# Altium PCB CL-AHU-V1.1.pcbdoc (part 2 of 5)
Units mil, origin at the board's own origin, x right, y up, seen from the top; angles counter-clockwise.
Board outline 12846.15 x 9153.85 mil, 2 copper layers (TopLayer, BottomLayer); 143 components, 181 nets, 607 pads, 3157 vias.
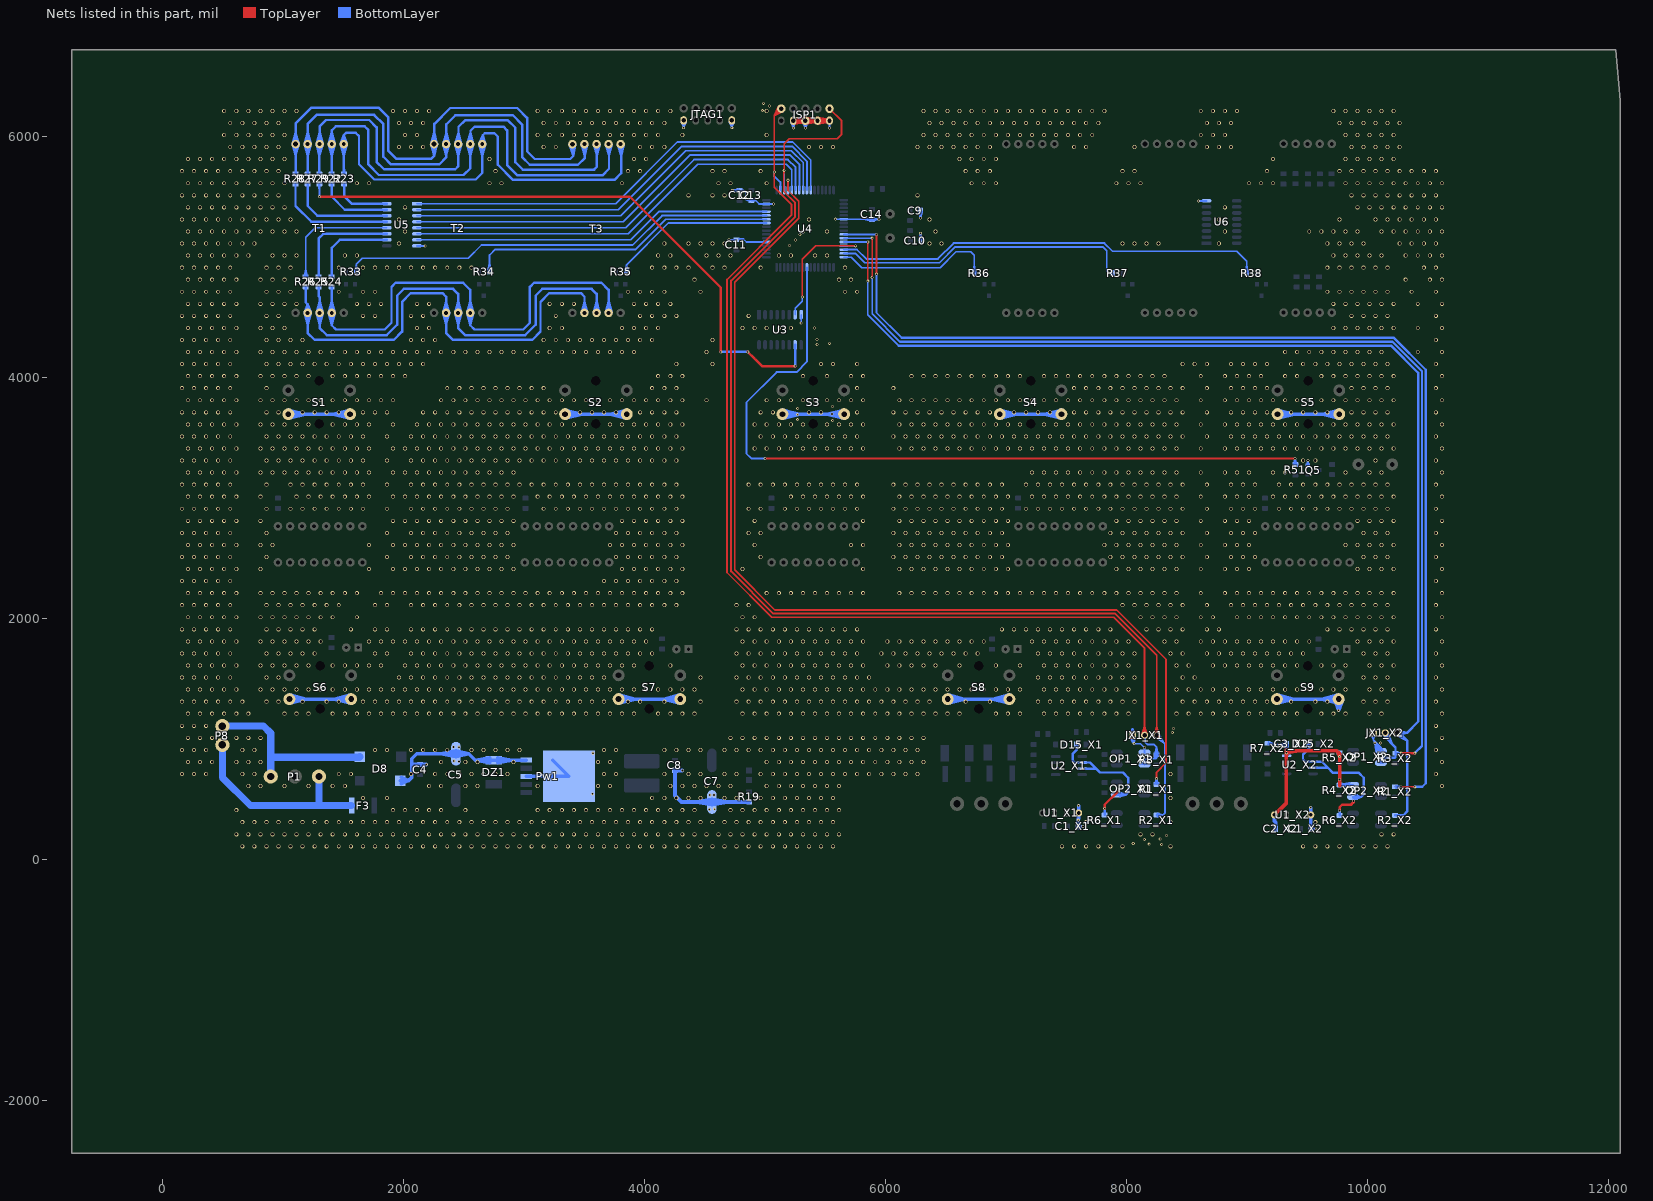
[diagram p2: the nets of this part, all layers, seen from the top]

## Via types
v1: diameter 33/33 (per signal layer), hole 23, TopLayer to BottomLayer, tented both sides, 2996 vias
v2: diameter 25, hole 15, TopLayer to BottomLayer, tented both sides, 138 vias
v3: diameter 24, hole 15, TopLayer to BottomLayer, tented both sides, 16 vias
v4: diameter 35, hole 20, TopLayer to BottomLayer, tented both sides, 3 vias
v5: diameter 30, hole 20, TopLayer to BottomLayer, tented both sides, 2 vias
v6: diameter 35, hole 25, TopLayer to BottomLayer, tented both sides, 2 vias

## Nets (pads, with @x,y where several pads share a name; then routed paths per layer and width w, separated by ;. In a path a pad name is that pad's centre, name@x,y a point inside that pad or via, vN(x,y) a via of type N, cw(c..) or ccw(c..) an arc to the next point about the centre after c; other vN are vias at no path point) (continued)
485-VCC_X2: C2_X2.2 C3_X2.2 OP2_X2.4 R4_X2.1 R5_X2.2 R7_X2.2 U1_X2.4 U2_X2.8 | length 5682.9
  TopLayer w20: v2(9766.91,854.09) 9766.91,879.87
  TopLayer w30: U1_X2.4@9226.52,371.7 9325.04,470.21 v2(9325.05,886.14) ; 9325.04,783.64 v2(9325.05,886.14) ; 9436.62,904.27 v2(9325.05,886.14) ; 9768.31,751.52 v2(9766.91,854.09) ; 9768.31,767.46 v2(9766.55,664.85) 9768.31,612.94 v2@9768.31,854.09 ; v2(9325.05,886.14) 9343.16,904.27 ; v2(9325.05,886.14) 9325.04,807.67 v2(9325.74,910.19) ; v2(9325.05,886.14) v2(9325.74,910.19) ; v2(9325.05,886.14) v2(9325.74,910.19) ; v2(9325.05,886.14) 9343.16,904.27 ; v2(9325.05,886.14) v2(9325.74,910.19) ; v2(9325.05,886.14) 9429.49,904.27 v2(9325.74,910.19) ; v2(9325.05,886.14) v2(9325.74,910.19) ; v2(9325.05,886.14) v2(9325.74,910.19) ; v2(9325.74,910.19) 9343.16,904.27 ; 9343.16,904.27 9742.52,904.27 ; 9742.52,904.27 v2(9766.91,854.09) ; 9742.52,904.27 9766.91,879.87 v2(9766.91,854.09)
  BottomLayer w15: R7_X2.2@9171,957.94 C3_X2.2@9323.65,957.94 ; R7_X2.2@9174.81,952.42 9240.65,957.94 ; R7_X2.2@9174.95,964.92 9240.65,957.94 ; R7_X2.2@9177.44,977.17 9240.65,957.94 ; C3_X2.2@9315.38,943.1 v2(9325.05,886.14) ; C3_X2.2@9324.14,972.42 9260.64,957.94 ; C3_X2.2@9324.93,947.55 9260.64,957.94 ; C3_X2.2@9325.74,955.02 v2@9325.74,890.02 ; C3_X2.2@9336.03,942.82 v2(9325.05,886.14) ; R4_X2.1@9771.55,619.22 OP2_X2.4@9836.55,619.22 ; R4_X2.1@9772.76,606.78 OP2_X2.4@9836.55,619.22 ; R4_X2.1@9772.76,631.66 OP2_X2.4@9836.55,619.22 ; R4_X2.1@9778.94,620.93 v2(9766.55,664.85) ; OP2_X2.4@9848.56,636.73 R4_X2.1@9782.71,608.72 ; OP2_X2.4@9848.89,603 R4_X2.1@9782.3,629.8 ; OP2_X2.4@9853.67,637.4 R4_X2.1@9782.3,629.8 ; OP2_X2.4@9853.99,602.42 R4_X2.1@9782.71,608.72 ; OP2_X2.4@9877.71,619.22 R4_X2.1@9766.55,619.22 ; 9260.64,957.94 C3_X2.2@9325.74,960.02 U2_X2.8@9325.74,862.96 ; v2(9325.05,886.14) v2(9325.74,910.19) ; v2(9325.05,886.14) U2_X2.8@9326.52,862.18 ; v2(9325.05,886.14) U2_X2.8@9325.74,862.96 ; v2(9325.05,886.14) v2(9325.74,910.19) ; v2(9325.05,886.14) 9325.74,919.2 U2_X2.8@9326.52,862.18 ; v2(9325.05,886.14) U2_X2.8@9326.52,862.18 ; v2(9325.05,886.14) U2_X2.8@9325.74,862.96 ; v2(9325.05,886.14) 9325.74,943.65 v2(9325.05,886.14) ; v2(9325.05,886.14) v2(9325.74,910.19) ; v2(9325.05,886.14) v2(9325.74,910.19) ; v2(9325.05,886.14) v2(9325.74,910.19) ; U2_X2.8@9325.74,862.96 v2(9325.74,910.19) ; v2@9325.74,890.02 v2(9325.74,910.19) ; v2@9325.74,890.02 v2(9325.74,910.19) ; v2@9325.74,890.02 v2(9325.74,910.19) ; v2@9325.74,890.02 9313.29,953.82 v2(9325.74,910.19) ; v2@9325.74,890.02 9338.18,953.82 v2(9325.74,910.19) ; v2(9325.74,910.19) U2_X2.8@9326.52,862.18 ; R4_X2.1@9766.55,619.22 v2(9766.55,664.85) ; R4_X2.1@9766.55,619.22 v2(9766.55,664.85) ; v2(9766.55,664.85) 9754.17,620.93 v2(9766.55,664.85) ; R4_X2.1@9782.3,629.8 OP2_X2.4@9853.39,619.91 ; R4_X2.1@9782.71,608.72 OP2_X2.4@9853.39,619.91 ; R4_X2.1@9783.38,619.22 OP2_X2.4@9853.39,619.91 ; R4_X2.1@9783.38,619.22 9851.04,637.25 R4_X2.1@9783.39,619.22 ; R4_X2.1@9783.38,619.22 9851.38,602.52 R4_X2.1@9783.39,619.22 ; R4_X2.1@9783.39,619.22 OP2_X2.4@9853.39,619.91
  BottomLayer w20: v2(9766.91,854.09) R5_X2.2@9766.91,886.12 v2(9766.91,854.09)
  BottomLayer w30: C2_X2.2@9236.55,254.7 9236.55,309.75 ; C2_X2.2@9236.55,259.7 9236.55,309.75 ; 9226.52,319.78 U1_X2.4@9226.52,371.7 9226.52,319.78 ; 9226.52,319.78 9236.55,309.75
AC12+: F3.1 P1.1 P8.1 | length 1672.2
  BottomLayer w60: P8.1@499.17,951.91 499.17,682.33 732.35,449.15 F3.1@1571.27,449.15 ; 1300.13,455.64 P1.1@1300.13,689.55
AC12-: D8.2 P1.3 P8.2 | length 1746.9
  BottomLayer w60: P8.2@499.17,1107.81 840.51,1107.81 900.13,1048.2 900.13,849.39 ; P1.3@900.13,689.54 900.13,849.39 ; 1414.34,849.39 D8.2@1637.78,852.95 1634.22,849.39 900.13,849.39
ATMEGA128-EN0: R1_X1.2 U4.4 | length 8814.1
  TopLayer w15: 5190.71,5578.06 v2(5190.71,5635.56) 5190.71,5550.54 5279.55,5461.7 5279.55,5320.85 4749.05,4790.35 4749.05,2403.05 5081.41,2070.7 7916.55,2070.7 8326.55,1660.7 8326.55,803.7 8248.32,725.47 v2(8248.32,671.45)
  BottomLayer w15: U4.4@5190.7,5554.46 v2@5190.7,5635.55 ; v2(8248.32,671.45) 8260.7,626.48 v2(8248.32,671.45) ; v2(8248.32,671.45) 8235.93,626.48 v2(8248.32,671.45) ; v2(8248.32,671.45) R1_X1.2@8248.31,624.81 v2(8248.32,671.45)
ATMEGA128-EN1: R1_X2.2 U4.26 | length 9687.3
  TopLayer w15: v2(5924.68,4856.31) v2(5924.68,5186.35) v2(5924.68,5186.35) ; v2(10276.71,604.55) v2(10390.02,604.55)
  BottomLayer w15: U4.26@5653.3,5186.35 v2(5924.68,5186.35) ; v2(5924.68,4856.31) 5924.68,4538.85 6135.04,4328.49 ; v2(10276.71,604.55) 10233.65,592.17 v2@10276.71,604.54 ; v2(10276.71,604.55) 10231.91,604.54 v2@10276.71,604.54 ; v2(10276.71,604.55) 10233.65,616.92 v2@10276.71,604.54 ; v2(10276.71,604.55) R1_X2.2@10226.91,604.54 v2@10276.71,604.54
  BottomLayer w20: 6135.04,4327.49 10217.65,4327.49 10481.26,4063.88 10481.26,633.4 10452.41,604.55 v2(10390.02,604.55)
ATMEGA128-RX0: ISP1.1 JX1_X1.2 OP1_X1.4 R3_X1.2 U4.2 | length 10135.1
  TopLayer w15: ISP1.1@5112.4,6245.54 5077.29,6171.52 ; ISP1.1@5125.39,6237.84 5077.29,6171.52 ; ISP1.1@5143.62,6219.61 5077.29,6171.52 ; ISP1.1@5151.32,6206.62 5077.29,6171.52 ; JX1_X1.2@8127.16,1035.69 8148.95,1106.96 JX1_X1.2@8170.73,1035.69 ; JX1_X1.2@8148.95,1032.43 8148.95,1753.45 7891.7,2010.7 5056.55,2010.7 4685.05,2382.2 4685.05,4811.2 5219.55,5345.7 5219.55,5435.7 5077.29,5577.96 v2(5077.29,5703.71) 5077.29,6171.52 ; 5077.29,6171.52 ISP1.1@5135.23,6229.45 5077.29,6171.52
  BottomLayer w15: v2(5077.29,5703.71) 5077.29,5670.21 5127.71,5619.79 U4.2@5127.71,5554.46 ; OP1_X1.4@8130.95,792.85 8147.93,824.68 ; OP1_X1.4@8147.93,788.61 8147.93,824.68 ; JX1_X1.2@8154.2,1024.14 8154.2,972.05 8170.06,956.19 8225.08,956.19 8248.37,932.89 ; OP1_X1.4@8164.91,792.85 8147.93,824.68 ; R3_X1.2@8230.92,869.88 8239.96,838.4 ; R3_X1.2@8235.94,872.24 8248.37,932.89 ; R3_X1.2@8243.37,870.98 8239.96,838.4 ; R3_X1.2@8255.33,867.33 8239.96,838.4 ; R3_X1.2@8260.81,872.24 8248.37,932.89 ; 8147.93,824.68 8161.65,838.4 8239.96,838.4 ; 8239.96,838.4 8248.37,846.81 ; 8248.37,846.81 8236.3,867.74 8248.37,846.81 ; 8248.37,846.81 8260.45,867.74 8248.37,846.81 ; 8248.37,846.81 R3_X1.2@8248.37,870.98 ; 8248.37,846.81 R3_X1.2@8248.37,870.98 ; R3_X1.2@8248.37,870.98 8248.37,932.89
ATMEGA128-RX1: JX1_X2.2 OP1_X2.4 R3_X2.2 U4.27 | length 10424.4
  TopLayer w15: v2(5889.68,4829.86) v2(5889.68,5154.86)
  TopLayer w20: v2(10277.38,883.34) v2(10389.82,883.35) 10317.32,883.34
  BottomLayer w15: U4.27@5653.3,5154.86 v2(5889.68,5154.86) ; v2(5889.68,4829.86) 5889.68,4526.89 6119.57,4296.99
  BottomLayer w20: 6121.99,4295.99 10204.61,4295.99 10449.76,4050.84 10449.76,943.29 v2(10389.82,883.35) ; OP1_X2.4@10094.52,808.21 10117.47,844.33 ; OP1_X2.4@10123.38,801.95 10117.47,844.33 ; JX1_X2.2@10129.25,1040.48 10198.04,963.11 ; JX1_X2.2@10162.64,1060.4 10198.04,963.11 ; OP1_X2.4@10108.39,802.51 10108.39,835.26 ; OP1_X2.4@10108.39,802.51 10117.47,844.33 ; OP1_X2.4@10108.39,802.51 10108.39,835.26 ; 10108.39,835.26 10122.99,805.95 10108.39,835.26 ; 10108.39,835.26 10093.79,805.95 10108.39,835.26 ; 10108.39,835.26 10117.47,844.33 ; 10117.47,844.33 10223.42,844.33 10229.69,850.6 ; 10145,1016.15 JX1_X2.2@10145,1052.02 ; 10145,1016.15 10126.21,1046.71 10145,1016.15 ; 10145,1016.15 10163.79,1046.71 10145,1016.15 ; 10145,1016.15 JX1_X2.2@10145,1052.02 ; 10145,1016.15 10229.69,931.45 R3_X2.2@10229.69,883.33 ; 10145,1016.15 JX1_X2.2@10145,1052.02 ; JX1_X2.2@10145,1052.02 10198.04,963.11 ; 10229.69,850.6 R3_X2.2@10229.69,883.33 ; 10229.69,850.6 R3_X2.2@10229.69,883.33 ; R3_X2.2@10229.69,883.33 v2(10277.38,883.34) 10234.69,883.33 v2(10277.38,883.34) R3_X2.2@10229.69,883.33
ATMEGA128-TX0: ISP1.9 JX1_X1.3 R2_X1.2 U4.3 | length 10683.7
  TopLayer w15: 5155.71,5660.13 v2(5159.2,5718.2) ; v2@5159.62,5718.2 5159.62,5939.08 5200.59,5980.04 5599.33,5980.04 5635.74,6016.46 5635.74,6128.93 ISP1.9@5535.23,6229.45 ; 5159.62,5775.71 v2(5159.2,5718.2) ; JX1_X1.3@8227.16,1035.69 8248.95,1106.96 JX1_X1.3@8270.73,1035.69 ; JX1_X1.3@8248.95,1032.43 8248.95,1695.88 7904.13,2040.7 5068.98,2040.7 4719.05,2390.63 4719.05,4802.77 5249.55,5333.27 5249.55,5448.7 5155.71,5542.54 5155.71,5714.7 v2(5159.2,5718.2)
  BottomLayer w15: U4.3@5159.2,5554.46 v2(5159.2,5718.2) 5159.2,5660.7 ; JX1_X1.3@8235.06,1015.33 8308.17,970.17 ; R2_X1.2@8248.31,370.9 8302.51,370.9 ; JX1_X1.3@8248.95,1032.43 8308.17,970.17 ; R2_X1.2@8253.31,370.9 8302.51,370.9 ; JX1_X1.3@8254.2,1024.14 8317.62,960.72 8317.62,386.01 8302.51,370.9 ; R2_X1.2@8254.9,358.5 8302.51,370.9 ; R2_X1.2@8254.9,383.3 8302.51,370.9 ; JX1_X1.3@8266.72,1045.44 8308.17,970.17
ATMEGA128-TX1: JX1_X2.3 R2_X2.2 U4.28 | length 10179
  TopLayer w15: v2(5852.9,4798.36) v2(5852.9,5123.36) 5852.9,5065.86
  BottomLayer w15: U4.28@5653.3,5123.36 v2(5852.9,5123.36) ; 5852.9,4740.86 v2(5852.9,4798.36) 5852.9,4519.12 6108.53,4263.49 6108.94,4263.49
  BottomLayer w20: 6108.94,4264.49 10191.56,4264.49 10418.26,4037.79 10418.26,1145.75 10324.54,1052.02 ; R2_X2.2@10227.57,367.58 10293.79,367.58 ; R2_X2.2@10232.57,367.58 10293.79,367.58 ; JX1_X2.3@10234.5,1035.56 10323.16,990.61 ; JX1_X2.3@10247.4,1032.64 10324.54,1052.02 ; JX1_X2.3@10247.4,1071.4 10324.54,1052.02 ; JX1_X2.3@10258.51,1066.12 10323.16,990.61 ; JX1_X2.3@10245,1052.02 10323.16,990.61 ; JX1_X2.3@10245,1052.02 10324.54,1052.02 ; JX1_X2.3@10245,1052.02 JX1_X2.3@10261.75,1052.02 ; JX1_X2.3@10261.75,1052.02 10324.54,1052.02 ; JX1_X2.3@10261.75,1052.02 10328.66,985.11 10328.66,402.45 10293.79,367.58
BZ: R51.1 U4.40 | length 6783.3
  TopLayer w15: v2(5002.05,3328.7) v2(9397.06,3328.71) 9339.56,3328.7
  BottomLayer w15: v2(5002.05,3328.7) 4886.55,3328.7 4846.55,3368.7 4846.55,3794.7 5096.55,4044.7 5262.55,4044.7 5348.18,4130.33 U4.40@5348.18,4912.73 ; v2(9397.06,3328.71) 9410.96,3278.25 v2@9398.55,3327.22 ; v2(9397.06,3328.71) 9386.15,3278.25 v2@9398.55,3327.22 ; v2(9397.06,3328.71) R51.1@9398.55,3276.7 v2@9398.55,3327.22 ; v2(9397.06,3328.71) v2@9398.55,3327.22
DB1: R22.1 T1.7 T2.7 T3.7 | length 5156.8
  BottomLayer w20: T1.7@1381.09,5932.04 1406.3,5840 T1.7@1431.51,5932.04 ; T1.7@1381.09,5938.82 1406.3,6030.87 T1.7@1431.51,5938.82 ; R22.1@1405.96,5689.12 1406.3,5769.12 ; R22.1@1406.3,5676.5 T1.7@1406.3,5935.43 1406.3,6049.06 1440.92,6083.68 1679.09,6083.68 1710.15,6052.62 1710.15,5765.91 1796.88,5679.19 2499.72,5679.19 2554.72,5734.19 T2.7@2554.72,5935.43 2557.67,6030.92 ; T2.7@2529.52,5932.04 2554.72,5840 T2.7@2579.93,5932.04 ; T2.7@2529.63,5939.6 2557.67,6030.92 ; T2.7@2557.67,5932.48 2557.67,6046.11 2592.3,6080.73 2830.46,6080.73 2861.53,6049.67 2861.53,5762.96 2948.25,5676.24 3651.1,5676.24 3706.1,5731.24 T3.7@3706.1,5932.48 ; T2.7@2580.02,5938.04 2557.67,6030.92 ; T3.7@3677.68,5930.86 3706.1,5839.57 ; T3.7@3702.76,5935.12 3706.1,5839.57 ; T3.7@3728.07,5932.62 3706.1,5839.57
DB2: R23.1 T1.6 T2.6 T3.6 | length 5047.8
  BottomLayer w20: T1.6@1481.09,5932.04 1506.3,5840 T1.6@1531.51,5932.04 ; T1.6@1481.23,5939.74 1506.3,6010.56 ; R23.1@1506.3,5679.38 T1.6@1506.3,5935.43 1506.3,6010.56 ; 1506.3,5769.26 R23.1@1509.51,5689.12 ; T1.6@1531.37,5939.74 1506.3,6010.56 ; T2.6@2629.53,5931.96 2655.05,5840 ; T2.6@2629.89,5940.93 2657.67,6007.61 ; T2.6@2657.67,5932.48 2657.67,6007.61 ; T2.6@2679.92,5938.88 2657.67,6007.61 ; T2.6@2679.94,5932.13 2655.05,5840 ; T3.6@3777.7,5930.77 3806.42,5839.53 ; T3.6@3802.76,5935.12 3806.42,5839.53 ; T3.6@3806.1,5932.48 3806.42,5932.16 3806.42,5693.07 3752.07,5638.71 2910.7,5638.71 2783.85,5765.56 2783.85,5998.53 2756.66,6025.72 2675.78,6025.72 2657.67,6007.61 ; T3.6@3828.07,5932.71 3806.42,5839.53 ; 1506.3,6010.56 1524.41,6028.67 1605.29,6028.67 1632.48,6001.48 1632.48,5768.51 1759.33,5641.66 2600.69,5641.66 2655.05,5696.02 2655.05,5935.11 T2.6@2654.72,5935.43 ; T2.6@2654.72,5935.43 2657.67,6007.61 ; T2.6@2654.72,5935.43 2655.05,5840
DB3: R24.1 T1.4 T2.4 T3.4 | length 4990.4
  BottomLayer w20: T1.4@1381.09,4532.04 1406.3,4440 T1.4@1431.51,4532.04 ; T1.4@1381.08,4538.74 1405.97,4630.87 ; T1.4@1405.97,4535.76 R24.1@1405.97,4750.26 ; T1.4@1431.49,4538.91 1405.97,4630.87 ; T2.4@2529.52,4532.04 2554.72,4440 T2.4@2579.93,4532.04 ; T2.4@2529.52,4538.82 2554.72,4630.87 T2.4@2579.93,4538.82 ; T3.4@3677.56,4538.61 3703.15,4630.55 ; T3.4@3702.76,4535.12 3703.15,4630.55 ; T3.4@3703.15,4535.43 3703.15,4725.89 3644.27,4784.76 3083.79,4784.76 3050.15,4751.12 3050.15,4453.41 2994.49,4397.75 2589.35,4397.75 2554.72,4432.38 T2.4@2554.72,4535.43 2554.72,4725.89 2495.85,4784.76 1935.37,4784.76 1901.72,4751.12 1901.72,4453.41 1846.06,4397.75 1440.92,4397.75 1406.3,4432.38 T1.4@1406.3,4535.43 1405.97,4630.87 ; T3.4@3727.98,4538.4 3703.15,4630.55
DB4: R25.1 T1.3 T2.3 T3.3 | length 4815.3
  BottomLayer w20: T1.3@1281.09,4532.04 1306.3,4440 T1.3@1331.51,4532.04 ; T1.3@1281.09,4538.82 1306.3,4630.87 T1.3@1331.51,4538.82 ; R25.1@1297.24,4750.26 1297.24,4674.02 1306.3,4664.95 T1.3@1306.3,4535.43 1306.3,4409.41 1364.55,4351.16 1862.89,4351.16 1949.61,4437.88 1949.61,4679.93 2003.97,4734.29 2413,4734.29 2454.72,4692.57 T2.3@2454.72,4535.43 2454.72,4409.41 2512.98,4351.16 3011.31,4351.16 3098.04,4437.88 3098.04,4679.93 3152.4,4734.29 3561.43,4734.29 3603.15,4692.57 T3.3@3603.15,4535.43 ; T2.3@2429.52,4532.04 2454.72,4440 T2.3@2479.93,4532.04 ; T2.3@2429.52,4538.82 2454.72,4630.87 T2.3@2479.93,4538.82 ; T3.3@3577.56,4538.61 3603.15,4630.55 ; T3.3@3602.76,4535.12 3603.15,4630.55 ; T3.3@3627.98,4538.4 3603.15,4630.55
DB5: R26.1 T1.2 T2.2 T3.2 | length 4802.6
  BottomLayer w20: T1.2@1181.09,4532.04 1206.3,4440 T1.2@1231.51,4532.04 ; T1.2@1181.28,4540.02 1206.3,4605.95 ; R26.1@1190.35,4750.26 1190.35,4621.9 1206.3,4605.95 ; T1.2@1231.32,4540.02 1206.3,4605.95 ; T2.2@2329.52,4532.04 2354.72,4440 T2.2@2379.93,4532.04 ; T2.2@2329.52,4538.82 2354.72,4630.87 T2.2@2379.93,4538.82 ; T3.2@3477.56,4538.61 3503.15,4630.55 ; T3.2@3502.76,4535.12 3503.15,4630.55 ; T3.2@3503.15,4535.43 3503.15,4669.6 3473.46,4699.29 3210.6,4699.29 3138.16,4626.86 3138.16,4379.63 3069.56,4311.03 2413.31,4311.03 2354.72,4369.62 T2.2@2354.72,4535.43 2354.72,4669.6 2325.03,4699.29 2062.17,4699.29 1989.74,4626.86 1989.74,4379.63 1921.14,4311.03 1264.89,4311.03 1206.3,4369.62 T1.2@1206.3,4535.43 1206.3,4605.95 ; T3.2@3527.98,4538.4 3503.15,4630.55
DB6: R27.1 T1.9 T2.9 T3.9 | length 5107
  BottomLayer w20: T1.9@1181.09,5932.04 1206.3,5840 T1.9@1231.51,5932.04 ; T1.9@1181.09,5938.82 1206.3,6030.87 T1.9@1231.51,5938.82 ; 1206.3,5769.12 R27.1@1206.83,5689.12 ; R27.1@1206.83,5675.41 1206.3,5675.94 T1.9@1206.3,5935.43 1206.3,6103.41 1280.41,6177.52 1758.04,6177.52 1834.4,6101.16 1834.4,5830.64 1897.84,5767.21 2297.8,5767.21 2354.72,5824.13 T2.9@2354.72,5935.43 2357.67,6030.94 ; T2.9@2329.52,5932.04 2354.72,5840 T2.9@2379.93,5932.04 ; T2.9@2329.63,5939.59 2357.67,6030.94 ; T2.9@2357.67,5932.48 2357.67,6100.46 2431.78,6174.57 2909.42,6174.57 2985.78,6098.21 2985.78,5827.69 3049.21,5764.26 3449.17,5764.26 3506.1,5821.18 T3.9@3506.1,5932.48 ; T2.9@2380.02,5938.04 2357.67,6030.94 ; T3.9@3477.68,5930.85 3506.1,5839.6 ; T3.9@3502.76,5935.12 3506.1,5839.6 ; T3.9@3528.07,5932.62 3506.1,5839.6
DB7: R28.1 T1.10 T2.10 T3.10 | length 5223.6
  BottomLayer w20: T1.10@1081.09,5932.04 1106.3,5840 T1.10@1131.51,5932.04 ; T1.10@1081.09,5938.82 1106.3,6030.87 T1.10@1131.51,5938.82 ; R28.1@1105.78,5689.12 1106.3,5769.12 ; R28.1@1106.3,5676.84 T1.10@1106.3,5935.43 1106.3,6105.66 1238.34,6237.7 1794.29,6237.7 1875.83,6156.16 1875.83,5878.52 1939.26,5815.1 2233.08,5815.1 2257.67,5839.69 T2.10@2257.67,5932.48 ; T2.10@2229.63,5931.27 2257.67,5839.95 ; T2.10@2229.63,5939.59 2257.67,6030.94 ; T2.10@2280.02,5932.83 2257.67,5839.95 ; T2.10@2280.02,5938.04 2257.67,6030.94 ; T3.10@3377.82,5930.1 3409.05,5839.41 ; T3.10@3402.76,5935.12 3409.05,5839.41 ; T3.10@3406.1,5932.48 3409.05,5929.53 3409.05,5836.74 3384.45,5812.15 3090.63,5812.15 3027.21,5875.57 3027.21,6153.21 2945.66,6234.76 2389.72,6234.76 2257.67,6102.71 T2.10@2257.67,5932.48 ; T3.10@3428.13,5933.41 3409.05,5839.41 ; T2.10@2254.72,5935.43 2257.67,6030.94 ; T2.10@2254.72,5935.43 2257.67,5839.95 ; T2.10@2254.72,5935.43 T2.10@2257.67,5932.48
DB8: R29.1 T1.8 T2.8 T3.8 | length 5181.7
  BottomLayer w20: T1.8@1281,5932.85 1303.26,5839.9 ; T1.8@1281.09,5938.82 1306.3,6030.87 T1.8@1331.51,5938.82 ; R29.1@1303.26,5689.12 T1.8@1303.26,5932.39 ; T1.8@1331.39,5931.25 1303.26,5839.9 ; T2.8@2429.52,5932.04 2454.72,5840 T2.8@2479.93,5932.04 ; T2.8@2429.63,5939.59 2457.67,6030.93 ; T2.8@2457.67,5932.48 2457.67,6078.78 2511.4,6132.51 2868.65,6132.51 2930.13,6071.03 2930.13,5784.95 2990.94,5724.14 3582.5,5724.14 3606.1,5747.74 T3.8@3606.1,5932.48 ; T2.8@2480.02,5938.04 2457.67,6030.93 ; T3.8@3577.68,5930.86 3606.1,5839.57 ; T3.8@3602.76,5935.12 3606.1,5839.57 ; T3.8@3628.07,5932.62 3606.1,5839.57 ; 1303.26,5839.9 T1.8@1306.3,5935.43 1306.3,6081.73 1360.02,6135.46 1717.27,6135.46 1778.75,6073.98 1778.75,5787.9 1839.56,5727.09 2431.13,5727.09 2454.72,5750.69 T2.8@2454.72,5935.43 2457.67,6030.93
DP_B1: R22.2 U5.15 | length 748.5
  BottomLayer w20: 1405.96,5524.12 R22.2@1405.96,5604.12 ; R22.2@1405.96,5591.16 1405.96,5499.59 1514.16,5391.4 U5.15@1863.13,5391.4 ; 1763.13,5391.4 U5.15@1838.13,5391.4
DP_B2: R23.2 U5.16 | length 622
  BottomLayer w20: 1509.51,5524.12 R23.2@1509.51,5604.12 ; R23.2@1509.51,5591.16 1509.51,5503.48 1571.6,5441.4 U5.16@1863.13,5441.4 ; 1763.13,5441.4 U5.16@1838.13,5441.4
DP_B3: R24.2 U5.10 | length 799.4
  BottomLayer w20: R24.2@1405.97,4835.26 1405.97,5074.94 1472.43,5141.4 U5.10@1863.13,5141.4 ; 1763.13,5141.4 U5.10@1838.13,5141.4
DP_B4: R25.2 U5.11 | length 973.9
  BottomLayer w20: R25.2@1297.24,4835.26 1297.24,5151.9 1336.74,5191.4 U5.11@1863.13,5191.4 ; 1763.13,5191.4 U5.11@1838.13,5191.4
DP_B5: R26.2 U5.12 | length 1222.1
  BottomLayer w15: R26.2@1177.91,4836.47 1190.35,4900.26 R26.2@1202.79,4836.47 ; R26.2@1190.35,4835.26 1190.35,5161.53 1270.21,5241.4 U5.12@1863.13,5241.4 ; 1778.13,5241.4 U5.12@1838.13,5241.4
DP_B6: R27.2 U5.14 | length 1013.1
  BottomLayer w20: 1206.83,5524.12 R27.2@1206.83,5604.12 ; R27.2@1206.83,5590.41 1206.83,5421.97 1287.41,5341.4 U5.14@1863.13,5341.4 ; 1763.13,5341.4 U5.14@1838.13,5341.4
DP_B7: R28.2 U5.13 | length 1135.2
  BottomLayer w20: 1105.78,5524.12 R28.2@1105.78,5604.12 ; R28.2@1105.78,5591.32 1105.78,5422.9 1237.29,5291.4 U5.13@1863.13,5291.4 ; 1763.13,5291.4 U5.13@1838.13,5291.4
DS2003_INT1: U4.10 U5.1 | length 3849.3
  BottomLayer w15: U5.1@2113.13,5441.4 3762.26,5441.4 4273.63,5952.77 5230.52,5952.77 5379.68,5803.61 U4.10@5379.68,5554.46 ; U5.1@2138.13,5441.4 2198.13,5441.4
DS2003_INT2: U4.9 U5.2 | length 3802.8
  BottomLayer w15: U5.2@2113.13,5391.4 3782.97,5391.4 4308.28,5916.71 5225.11,5916.71 5348.18,5793.64 U4.9@5348.18,5554.46 ; U5.2@2138.13,5391.4 2198.13,5391.4
DS2003_INT3: U4.8 U5.3 | length 3756
  BottomLayer w15: U5.3@2113.13,5341.4 3803.68,5341.4 4342.94,5880.65 5219.12,5880.65 5316.69,5783.09 U4.8@5316.69,5554.46 ; U5.3@2138.13,5341.4 2198.13,5341.4
DS2003_INT4: U4.7 U5.4 | length 3706.6
  BottomLayer w15: U5.4@2113.13,5291.4 3824.39,5291.4 4377.59,5844.59 5208.9,5844.59 5285.19,5768.31 U4.7@5285.19,5554.46 ; U5.4@2138.13,5291.4 2198.13,5291.4
DS2003_INT5: U4.6 U5.5 | length 3650.3
  BottomLayer w15: U5.5@2113.13,5241.4 3845.1,5241.4 4411.03,5807.32 5189.68,5807.32 5253.69,5743.32 U4.6@5253.69,5554.46 ; U5.5@2138.13,5241.4 2198.13,5241.4
DS2003_INT6: U4.5 U5.6 | length 3594.9
  BottomLayer w15: U5.6@2113.13,5191.4 3865.82,5191.4 4442.09,5767.67 5177.65,5767.67 5222.2,5723.13 U4.5@5222.2,5554.46 ; U5.6@2138.13,5191.4 2198.13,5191.4
DS2003_INT7: U4.61 U5.7 | length 3055.3
  BottomLayer w15: U5.7@2113.13,5141.4 3886.53,5141.4 4120.46,5375.33 U4.61@5011.57,5375.33 ; U5.7@2138.13,5141.4 2198.13,5141.4
DS2003_INT8: U3.7 U4.29 | length 1097.7
  TopLayer w15: v2(5309.55,4667.7) 5309.55,4979.2 5422.22,5091.86 v2(5751.72,5091.86)
  BottomLayer w15: U3.7@5250.55,4520.7 5250.55,4573.2 ; U3.7@5250.55,4545.7 5250.55,4573.2 ; v2(5309.55,4667.7) 5309.55,4632.2 5250.55,4573.2 ; U4.29@5653.3,5091.86 v2(5751.72,5091.86)
DS2003_OUT8: R29.2 U3.10 | length 5573.9
  TopLayer w20: v2@1304.55,5498.7 3880.55,5498.7 4633.55,4745.7 v2(4633.55,4211.72) ; v2(1304.81,5498.84) 1377.31,5498.7 ; 4912.48,4156.77 v2(4857.56,4211.71) 4975.55,4093.7 v2(5250.55,4093.7)
  BottomLayer w20: v2(1304.81,5498.84) 1304.81,5602.56 R29.2@1303.26,5604.12 1304.81,5524.07 ; 4706.05,4211.71 v2(4633.55,4211.72) v2(4857.56,4211.71) 4785.06,4211.71 ; v2(5250.55,4093.7) U3.10@5250.55,4270.7 ; 5250.55,4170.7 U3.10@5250.55,4245.7
DS_INT3: R33.2 U4.60 | length 4416.9
  BottomLayer w15: R33.2@1597.63,4884.51 1610.06,4939.6 ; R33.2@1610.06,4878.13 1610.06,4939.6 ; R33.2@1610.06,4883.13 1610.06,4939.6 ; R33.2@1622.48,4884.51 1610.06,4939.6 ; 4353.3,5343.83 U4.60@5011.57,5343.83 ; 4970.34,5343.83 4968.85,5342.34 4146.89,5342.34 3902.92,5098.37 2648.39,5098.37 2538.28,4988.26 1658.72,4988.26 1610.06,4939.6
DS_INT4: R34.2 U4.59 | length 2751.3
  BottomLayer w15: R34.2@2702.5,4884.34 2714.94,4948.14 ; R34.2@2714.94,4878.14 2714.94,5014.37 2762.69,5062.12 3926.62,5062.12 4176.83,5312.34 U4.59@5011.57,5312.34 ; R34.2@2714.94,4883.14 2714.94,4948.14 ; R34.2@2727.39,4884.34 2714.94,4948.14
DS_INT5: R35.2 U4.58 | length 1513.8
  BottomLayer w15: R35.2@3839.64,4884.65 3852.05,4934.58 ; R35.2@3852.05,4878.13 3852.05,4934.58 ; R35.2@3852.05,4883.13 3852.05,4934.58 ; R35.2@3864.45,4884.65 3852.05,4934.58 ; U4.58@5011.57,5280.84 4198.3,5280.84 3852.05,4934.58
DS_INT6: R36.2 U4.32 | length 1528.9
  BottomLayer w15: U4.32@5653.3,4997.38 5716.58,4997.38 5804.16,4909.8 6452.69,4909.8 6584.64,5041.75 6707.06,5041.75 6735.72,5013.08 R36.2@6735.72,4864.4 ; R36.2@6723.28,4870.6 6735.72,4934.4 ; R36.2@6735.72,4869.4 6735.72,4934.4 ; R36.2@6748.17,4870.6 6735.72,4934.4
DS_INT7: R37.2 U4.31 | length 2564.8
  BottomLayer w15: U4.31@5653.3,5028.87 5749.99,5028.87 5826.94,4951.92 6447.31,4951.92 6577.72,5082.33 7802.23,5082.33 7835.07,5049.49 7835.07,4884.53 7855.2,4864.4 ; R37.2@7882.64,4852.17 7855.2,4864.4 ; R37.2@7882.64,4876.62 7855.2,4864.4 ; R37.2@7885.24,4864.4 7855.2,4864.4
DS_INT8: R38.2 U4.30 | length 3784.8
  BottomLayer w15: U4.30@5653.3,5060.37 5763.03,5060.37 5839.98,4983.42 6434.26,4983.42 6564.67,5113.82 7815.28,5113.82 7882.58,5046.52 8912.52,5046.52 8996.34,4962.7 R38.2@8996.34,4864.4 ; R38.2@8983.9,4870.6 8996.34,4934.4 ; R38.2@8996.34,4869.4 8996.34,4934.4 ; R38.2@9008.78,4870.6 8996.34,4934.4
ENTX_X1: D15_X1.1 OP2_X1.3 R6_X1.2 U2_X1.2 U2_X1.3 | length 1941.5
  TopLayer w20: v2(7817.56,423.99) 7817.56,456.12 7922.85,561.41 ; 7922.85,561.41 v2(7922.85,584.71) 7922.85,561.41
  BottomLayer w20: D15_X1.1@7587.37,954.89 7587.37,912.61 7553.94,879.17 7553.94,820.28 7568.42,805.8 ; U2_X1.2@7602.52,805.8 7568.42,805.8 ; U2_X1.3@7630.52,755.8 7744.45,755.8 ; U2_X1.3@7658.52,755.8 7730.52,755.8 ; U2_X1.2@7658.52,805.8 7696.56,805.8 ; OP2_X1.3@7932.91,540.67 v2(7922.85,584.71) ; OP2_X1.3@7942.93,539.81 7994.44,539.81 ; OP2_X1.3@7945.12,524.97 7994.44,539.81 ; OP2_X1.3@7945.12,554.65 7994.44,539.81 ; 7568.42,805.8 U2_X1.2@7630.52,805.8 7696.56,805.8 ; 7696.56,805.8 7779.16,723.2 7968.79,723.2 8013.44,678.54 8013.44,558.81 7994.44,539.81 ; OP2_X1.3@7917.93,539.81 v2(7922.85,584.71) ; OP2_X1.3@7917.93,539.81 v2(7922.85,584.71) ; OP2_X1.3@7917.93,539.81 7994.44,539.81 ; v2(7922.85,584.71) 7903.5,543.89 v2(7922.85,584.71) ; v2(7922.85,584.71) 7922.85,544.98 v2(7922.85,584.71) ; R6_X1.2@7817.55,370.9 v2(7817.56,423.99) R6_X1.2@7817.55,370.9
ENTX_X2: D15_X2.1 OP2_X2.3 R6_X2.2 U2_X2.2 U2_X2.3 | length 1716.1
  TopLayer w20: v3(9766.23,408.75) 9766.23,434.5 9787.17,455.43 9863.1,455.43 ; v3@9878.45,481.92 v3(9882.3,485.76) ; 9863.1,455.43 v3(9882.3,485.76) ; 9863.1,455.43 9882.3,474.63 v3(9882.3,485.76)
  BottomLayer w20: D15_X2.1@9513.21,955.03 9513.21,924.47 ; D15_X2.1@9513.21,960.03 9513.21,924.47 ; U2_X2.2@9518.52,812.18 9481.95,812.18 ; U2_X2.3@9546.52,762.18 9669.94,762.18 ; U2_X2.3@9574.52,762.18 9646.52,762.18 ; U2_X2.2@9574.52,812.18 9619.94,812.18 ; v3(9882.3,485.76) 9882.3,516 OP2_X2.3@9878.39,519.91 9945.7,519.91 ; OP2_X2.3@9903.39,519.91 9945.7,519.91 ; OP2_X2.3@9906.05,505.14 9945.7,519.91 ; OP2_X2.3@9906.05,534.67 9945.7,519.91 ; 9481.95,812.18 9462.34,831.78 9462.34,873.6 9513.21,924.47 ; 9481.95,812.18 U2_X2.2@9546.52,812.18 9619.94,812.18 ; 9619.94,812.18 9669.94,762.18 ; 9669.94,762.18 9712.54,719.58 9925.81,719.58 9966.24,679.15 9966.24,540.45 9945.7,519.91 ; v3(9766.23,408.75) R6_X2.2@9766.91,367.58 9766.91,408.75 v3(9766.23,408.75)
GND: C1_X1.1 C1_X2.1 C4.2 C5.2 C7.2 C8.2 C9.2 C10.2 C11.2 C12.2 C13.2 C14.2 D8.4 DZ1.A ISP1.4 ISP1.6 ISP1.8 ISP1.10 JTAG1.2 JTAG1.10 JX1_X1.1 JX1_X2.1 OP1_X1.3 OP1_X2.3 Pw1.3 Pw1.5 Q5.3 R19.1 S1.1 S2.1 S3.1 S4.1 S5.1 S6.1 S7.1 S8.1 S9.1 U1_X1.1 U1_X2.1 U3.8 U4.22 U4.53 U4.63 U5.8 U6.8 | length 31154.6
  TopLayer w15: ISP1.4@5234.87,6101.52 ISP1.6@5307.63,6110.22 ; ISP1.4@5234.87,6157.38 ISP1.6@5307.63,6148.68 ; ISP1.4@5235.23,6121.52 ISP1.6@5307.63,6110.22 ; ISP1.4@5235.23,6137.38 ISP1.6@5307.63,6148.68 ; ISP1.4@5235.61,6109.45 ISP1.6@5307.8,6120.84 ; ISP1.4@5235.61,6149.45 ISP1.6@5307.8,6138.06 ; ISP1.4@5237.98,6109.64 5307.73,6129.45 ISP1.4@5237.98,6149.26 ; ISP1.4@5240.28,6110.1 ISP1.6@5307.8,6138.06 ; ISP1.4@5240.28,6148.8 ISP1.6@5307.8,6120.84 ; ISP1.4@5240.98,6118.23 ISP1.6@5307.63,6148.68 ; ISP1.4@5240.98,6140.67 ISP1.6@5307.63,6110.22 ; ISP1.6@5330.38,6101.94 ISP1.4@5254.79,6129.45 ; ISP1.6@5330.38,6156.96 ISP1.4@5254.79,6129.45 ; ISP1.6@5333.84,6116.59 ISP1.8@5416.33,6114.22 ; ISP1.6@5333.84,6142.31 ISP1.8@5416.33,6144.67 ; ISP1.6@5334.19,6116.56 ISP1.4@5254.79,6129.45 ; ISP1.6@5334.19,6142.34 ISP1.4@5254.79,6129.45 ; ISP1.6@5334.79,6101.52 ISP1.8@5416.33,6114.22 ; ISP1.6@5334.79,6157.38 ISP1.8@5416.33,6144.67 ; ISP1.6@5336.27,6116.56 ISP1.8@5415.66,6129.45 ; ISP1.6@5336.27,6142.34 ISP1.8@5415.66,6129.45 ; ISP1.6@5338.6,6116.96 ISP1.8@5416.33,6144.67 ; ISP1.6@5338.6,6141.93 ISP1.8@5416.33,6114.22 ; ISP1.6@5340.08,6101.94 ISP1.8@5415.66,6129.45 ; ISP1.6@5340.08,6156.96 ISP1.8@5415.66,6129.45 ; ISP1.6@5344.95,6103.26 ISP1.8@5416.33,6144.67 ; ISP1.6@5344.95,6155.63 ISP1.8@5416.33,6114.22 ; ISP1.8@5432.47,6109.64 5362.73,6129.45 ISP1.8@5432.47,6149.26 ; ISP1.8@5435.23,6121.52 ISP1.10@5511.4,6115.62 ; ISP1.8@5435.23,6137.38 ISP1.10@5511.4,6143.27 ; ISP1.8@5436.31,6101.55 ISP1.10@5511.4,6115.62 ; ISP1.8@5436.31,6157.35 ISP1.10@5511.4,6143.27 ; ISP1.8@5439.37,6117.82 ISP1.10@5511.4,6143.27 ; ISP1.8@5439.37,6141.08 ISP1.10@5511.4,6115.62 ; ISP1.10@5532.47,6109.64 5462.73,6129.45 ; ISP1.10@5532.47,6149.26 5462.73,6129.45 ; ISP1.4@5235.23,6129.45 ISP1.6@5307.8,6120.84 ; ISP1.4@5235.23,6129.45 ISP1.6@5307.8,6138.06 ; ISP1.4@5235.23,6129.45 ISP1.8@5435.23,6129.45 ; ISP1.8@5416.33,6114.22 ISP1.6@5335.23,6129.45 ISP1.8@5416.33,6144.67 ; ISP1.8@5435.23,6129.45 ISP1.10@5507.73,6129.45 ; ISP1.8@5435.23,6129.45 ISP1.10@5535.23,6129.45 5462.73,6129.45 ; ISP1.10@5507.73,6129.45 5437.98,6109.64 ISP1.10@5507.73,6129.45 ; ISP1.10@5507.73,6129.45 5437.98,6149.26 ISP1.10@5507.73,6129.45
  BottomLayer w10: C12.2@4794.46,5552.76 4831.75,5552.59 ; C12.2@4796.37,5552.59 4831.75,5552.59 ; C12.2@4797.41,5538.05 4831.75,5552.59 ; C12.2@4797.54,5567.44 4831.75,5552.59 ; C13.2@4878.43,5453.32 4848.68,5467.93 ; C13.2@4878.43,5482.54 4848.68,5467.93 ; C13.2@4881.83,5467.93 4848.68,5467.93 ; C13.2@4886.83,5467.93 4848.68,5467.93 ; 4831.75,5552.59 4841.37,5542.97 4841.37,5475.24 4848.68,5467.93
  BottomLayer w15: U5.8@2113.13,5091.4 v2(2181.44,5091.4) U5.8@2138.13,5091.4 ; JTAG1.2@4305.5,6120.12 v3(4325.13,6071.35) ; JTAG1.2@4325.13,6123.92 v3(4325.13,6071.35) ; JTAG1.2@4325.13,6131.85 v3(4325.13,6071.35) ; JTAG1.2@4344.76,6120.12 v3(4325.13,6071.35) ; v3(4701.75,5142.39) C11.2@4762.25,5142.39 ; JTAG1.10@4705.5,6120.12 v3(4725.13,6071.35) ; JTAG1.10@4725.13,6123.92 v3(4725.13,6071.35) ; JTAG1.10@4725.13,6131.85 v3(4725.13,6071.35) ; JTAG1.10@4744.76,6120.12 v3(4725.13,6071.35) ; C12.2@4783.05,5540.34 v3(4728.96,5552.76) ; C12.2@4783.05,5565.18 v3(4728.96,5552.76) ; C12.2@4784.46,5552.76 v3(4728.96,5552.76) ; C11.2@4785.23,5147.74 4822.11,5147.74 4846.49,5123.36 U4.53@5011.57,5123.36 ; C12.2@4789.46,5552.76 v3(4728.96,5552.76) ; C13.2@4886.83,5467.93 4921.54,5467.93 4951.15,5438.32 U4.63@5011.57,5438.32 v2(5071.7,5438.33) ; ISP1.4@5215.59,6117.71 v3(5235.23,6068.95) ; ISP1.4@5235.23,6121.52 v3(5235.23,6068.95) ; ISP1.4@5235.23,6129.45 v3(5235.23,6068.95) ; ISP1.4@5254.86,6117.71 v3(5235.23,6068.95) ; U3.8@5300.55,4509.89 v2(5300.54,4452.39) ; U3.8@5300.55,4520.7 v2(5300.54,4452.39) ; ISP1.6@5308.05,6123 v3(5335.23,6068.95) ; ISP1.6@5322.37,6128.07 v3(5335.23,6068.95) ; ISP1.6@5335.23,6129.45 v3(5335.23,6068.95) ; ISP1.6@5348.08,6128.07 v3(5335.23,6068.95) ; ISP1.6@5362.4,6123 v3(5335.23,6068.95) ; v3(5535.23,6068.95) ISP1.10@5535.23,6129.45 ; v2(5584.67,5312.34) U4.22@5653.3,5312.34 C14.2@5885.39,5312.34 ; C14.2@5880.81,5297.94 5817.32,5312.34 ; C14.2@5881.57,5322.81 5817.32,5312.34 ; C14.2@5882.39,5310.34 5817.32,5312.34 ; C14.2@5887.39,5310.34 C14.2@5885.39,5312.34 ; C14.2@5892.39,5310.34 v3(5945.89,5312.34) ; C14.2@5893.39,5322.8 v3(5945.89,5312.34) ; C14.2@5894.31,5297.99 v3(5945.89,5312.34) ; C9.2@6276.62,5377.13 v3(6289.04,5323.04) ; C10.2@6278.41,5141.74 v3(6290.83,5195.83) ; C9.2@6289.04,5378.54 v3(6289.04,5323.04) ; C9.2@6289.04,5383.54 v3(6289.04,5323.04) ; C10.2@6290.83,5135.33 v3(6290.83,5195.83) ; C10.2@6290.83,5140.33 v3(6290.83,5195.83) ; C9.2@6301.46,5377.13 v3(6289.04,5323.04) ; C10.2@6303.25,5141.74 v3(6290.83,5195.83) ; JX1_X1.1@8027.34,1028.15 8048.95,975.81 ; JX1_X1.1@8027.38,1036.91 8048.95,1086.59 ; JX1_X1.1@8032.86,1014.77 v2(8062.56,962.21) ; JX1_X1.1@8070.51,1036.91 8048.95,1086.59 ; OP1_X1.3@8147.93,888.61 v2(8147.93,929.32) 8115.05,962.2 ; U6.8@8651.43,5464.33 v2(8593.93,5464.34) ; U6.8@8662.23,5464.33 v2(8593.93,5464.34) ; JX1_X2.1@10023.41,1047.62 10045,996.89 ; OP1_X2.3@10065.96,900.96 v2@10068.27,973.62 ; OP1_X2.3@10066.16,907.18 v2(10059.19,966.1) ; JX1_X2.1@10066.58,1047.62 10045,996.89 ; OP1_X2.3@10081.89,909.57 v2(10059.19,966.1) ; OP1_X2.3@10083.39,902.51 v2@10068.27,973.62 ; OP1_X2.3@10096.6,915.1 v2(10059.19,966.1) ; OP1_X2.3@10099.95,908.19 v2@10068.27,973.62 ; v2(5300.54,4452.39) 5300.55,4495.7 v2(5300.54,4452.39) ; C14.2@5885.39,5312.34 v3(5945.89,5312.34) ; v2(7638.18,275.99) 7598.79,263.64 v2(7638.18,275.99) ; v2(7638.18,275.99) 7598.79,288.35 v2(7638.18,275.99) ; v2(7638.18,275.99) C1_X1.1@7596.9,276 v2(7638.18,275.99) ; 8048.95,975.81 v2(8062.56,962.21) ; 8048.95,975.81 v2(8062.56,962.21) ; 8048.95,975.81 v2(8062.56,962.21) ; 8048.95,975.81 v2(8062.56,962.21) ; 8048.95,975.81 v2(8062.56,962.21) ; 8048.95,975.81 JX1_X1.1@8048.95,1032.43 ; 8048.95,975.81 8070.55,1028.15 v2(8062.56,962.21) ; 8048.95,975.81 JX1_X1.1@8048.95,1032.43 ; 8048.95,975.81 v2(8062.56,962.21) ; JX1_X1.1@8048.95,1032.43 8048.95,1086.59 ; v2(8062.56,962.21) 8048.95,1023.99 v2(8062.56,962.21) ; v2(8062.56,962.21) 8115.05,962.2 ; v2(8062.56,962.21) 8115.05,962.2 ; v2(8593.93,5464.34) 8637.23,5464.33 v2(8593.93,5464.34) ; v2(9503.04,3310.39) 9513.17,3270.37 v2(9503.04,3310.39) ; v2(9503.04,3310.39) 9492.9,3270.37 v2(9503.04,3310.39) ; v2(9503.04,3310.39) Q5.3@9503.03,3269.1 v2(9503.04,3310.39) ; v2(9569.14,256.08) 9529.75,268.45 v2(9569.14,256.08) ; v2(9569.14,256.08) 9529.75,243.74 v2(9569.14,256.08) ; v2(9569.14,256.08) C1_X2.1@9527.85,256.09 v2(9569.14,256.08) ; 10045,996.89 v2(10059.19,966.1) ; 10045,996.89 JX1_X2.1@10045,1052.02 10045,996.89 ; 10045,996.89 10108.39,933.5 ; v2(10059.19,966.1) 10108.39,933.5 ; 10108.39,933.5 OP1_X2.3@10108.39,902.51 10108.39,933.5 ; 10108.39,933.5 10125.18,907.45 10108.39,933.5 ; 10108.39,933.5 10091.61,907.45 10108.39,933.5
  BottomLayer w30: S1.1@1046.69,3695.67 S1.1@1558.5,3695.67 ; S1.1@1050.9,3661.72 1185.91,3695.67 S1.1@1050.9,3729.62 ; S6.1@1059.56,1297.94 1194.57,1331.89 ; S6.1@1059.56,1365.84 1194.57,1331.89 ; S1.1@1554.3,3661.72 1419.29,3695.67 S1.1@1554.3,3729.62 ; S6.1@1562.96,1297.94 1427.95,1331.89 ; S6.1@1562.96,1365.84 1427.95,1331.89 ; D8.4@1976.37,656.1 2043.85,656.1 ; D8.4@1982.3,628.43 2043.85,656.1 ; D8.4@1982.3,683.78 2043.85,656.1 ; C4.2@2134.79,788.97 2073.94,788.97 C4.2@2139.79,788.97 ; C5.2@2434.37,854.51 2307.3,878.78 C5.2@2434.37,903.04 ; C5.2@2439.48,854.57 2542.49,878.78 ; C5.2@2439.48,902.98 2542.49,878.78 ; DZ1.A@2716.8,804.71 2596.63,824.64 ; DZ1.A@2716.8,844.57 2596.63,824.64 ; DZ1.A@2718.44,824.64 2596.63,824.64 ; DZ1.A@2782.3,824.64 v1@2907.3,824.64 ; DZ1.A@2783.9,804.71 v1@2907.3,824.64 ; DZ1.A@2783.9,844.58 v1@2907.3,824.64 ; 2880.38,824.64 Pw1.5@2991.44,825.04 ; Pw1.5@3019.19,824.64 DZ1.A@2750.37,824.64 2596.63,824.64 ; Pw1.3@3019.59,691.18 Pw1.3@3373.29,691.18 Pw1.3@3239.44,825.04 ; Pw1.3@3047.74,691.18 Pw1.3@3158.8,691.18 ; 3083.84,691.18 v2(3186.55,688.7) Pw1.3@3289.27,691.18 ; S2.1@3346.17,3661.72 3481.18,3695.67 ; S2.1@3346.17,3729.62 3481.18,3695.67 ; S7.1@3789.87,1297.94 3924.88,1331.89 ; S7.1@3789.87,1365.84 3924.88,1331.89 ; S2.1@3849.58,3661.72 3714.57,3695.67 ; S2.1@3849.58,3729.62 3714.57,3695.67 ; 4253.45,629.69 C8.2@4253.45,739.69 ; S7.1@4293.28,1297.94 4158.27,1331.89 ; S7.1@4293.28,1365.84 4158.27,1331.89 ; C7.2@4557.81,454.16 4430.74,478.47 ; C7.2@4557.83,502.68 4430.74,478.47 ; C7.2@4562.42,454.16 4689.48,478.47 ; C7.2@4562.4,502.68 4689.48,478.47 ; 4753.92,478.47 R19.1@4863.92,478.47 ; R19.1@4868.92,478.47 4306.74,478.47 4253.45,531.76 C8.2@4253.45,739.69 ; S3.1@5148.93,3661.72 5283.94,3695.67 ; S3.1@5148.93,3729.62 5283.94,3695.67 ; S3.1@5168.58,3695.67 v2(5271.72,3691.18) ; S3.1@5168.89,3695.67 v2(5271.72,3691.18) ; S3.1@5171.61,3667.42 v2(5271.72,3691.18) ; S3.1@5172.68,3723.65 v2(5271.72,3691.18) ; 5374.96,3695.67 v2(5271.72,3691.18) ; 5452.47,3695.67 v2(5555.1,3697.53) ; S8.1@6515.98,1331.89 S8.1@7027.8,1331.89 6888.58,1331.89 ; S8.1@6520.19,1297.94 6655.2,1331.89 S8.1@6520.19,1365.84 ; S4.1@6951.68,3661.72 7086.69,3695.67 ; S4.1@6951.68,3729.62 7086.69,3695.67 ; S8.1@7023.59,1297.94 6888.58,1331.89 ; S8.1@7023.59,1365.84 6888.58,1331.89 ; S4.1@7455.09,3661.72 7320.08,3695.67 ; S4.1@7455.09,3729.62 7320.08,3695.67 ; v3(7601.55,447.81) U1_X1.1@7601.55,387.31 ; S9.1@9250.5,1297.94 9385.51,1331.89 ; S9.1@9250.5,1365.84 9385.51,1331.89 ; S5.1@9256.02,3661.72 9391.02,3695.67 ; S5.1@9256.02,3729.62 9391.02,3695.67 ; S9.1@9724.49,1325.57 v2(9758.11,1239.23) ; S9.1@9753.91,1297.94 9618.9,1331.89 ; S9.1@9753.91,1365.84 9618.9,1331.89 ; S5.1@9759.42,3661.72 9624.41,3695.67 ; S5.1@9759.42,3729.62 9624.41,3695.67 ; S9.1@9791.74,1325.57 v2(9758.11,1239.23) ; 1194.57,1331.89 S6.1@1055.35,1331.89 S6.1@1567.17,1331.89 1427.95,1331.89 ; 2043.85,656.1 2069.47,681.72 2069.47,837.37 2110.88,878.78 C5.2@2436.67,878.78 2542.49,878.78 ; C4.2@2139.79,788.97 v2(2190.83,788.98) 2144.79,788.97 v2(2190.83,788.98) C4.2@2139.79,788.97 ; 2542.49,878.78 2596.63,824.64 ; 3481.18,3695.67 S2.1@3341.97,3695.67 S2.1@3853.78,3695.67 3714.57,3695.67 ; 3924.88,1331.89 S7.1@3785.67,1331.89 S7.1@4297.48,1331.89 4158.27,1331.89 ; C8.2@4253.45,739.69 v2(4314.67,739.7) ; C8.2@4253.45,739.69 v2(4314.67,739.7) ; v2(4314.67,739.7) 4258.45,739.69 v2(4314.67,739.7) ; 4430.74,478.47 C7.2@4560.11,478.42 4689.48,478.47 ; 5283.94,3695.67 S3.1@5144.72,3695.67 S3.1@5656.54,3695.67 ; 5517.32,3695.67 v2(5555.1,3697.53) ; 5517.32,3695.67 v2(5555.1,3697.53) ; 5517.32,3695.67 v2(5555.1,3697.53) ; 5517.32,3695.67 S3.1@5656.54,3695.67 ; 5517.32,3695.67 5652.33,3729.62 v2(5555.1,3697.53) ; 5517.32,3695.67 5652.33,3661.72 v2(5555.1,3697.53) ; v2(5555.1,3697.53) S3.1@5656.54,3695.67 ; v2(5555.1,3697.53) S3.1@5656.54,3695.67 ; 7086.69,3695.67 S4.1@6947.48,3695.67 S4.1@7459.29,3695.67 7320.08,3695.67 ; C1_X1.1@7596.9,276 v2(7598.43,327.56) ; C1_X1.1@7596.9,276 v2(7598.43,327.56) ; C1_X1.1@7596.9,276 U1_X1.1@7601.55,387.31 ; C1_X1.1@7596.9,276 U1_X1.1@7596.9,382.65 ; C1_X1.1@7596.9,281 v2(7598.43,327.56) ; C1_X1.1@7596.9,281 v2(7598.43,327.56) ; C1_X1.1@7596.9,281 U1_X1.1@7601.55,387.31 ; C1_X1.1@7596.9,281 U1_X1.1@7596.9,382.65 ; U1_X1.1@7596.9,382.65 v2(7598.43,327.56) ; U1_X1.1@7596.9,382.65 v2(7598.43,327.56) ; U1_X1.1@7596.9,382.65 U1_X1.1@7601.55,387.31 ; v2(7598.43,327.56) U1_X1.1@7601.55,387.31 ; v2(7598.43,327.56) U1_X1.1@7601.55,387.31 ; 9385.51,1331.89 S9.1@9246.3,1331.89 S9.1@9758.11,1331.89 ; 9391.02,3695.67 S5.1@9251.81,3695.67 S5.1@9763.62,3695.67 9624.41,3695.67 ; U1_X2.1@9526.52,371.7 v3(9526.52,432.2) U1_X2.1@9526.52,371.7 ; U1_X2.1@9526.52,371.7 9526.52,257.42 U1_X2.1@9526.52,371.7 ; 9618.9,1331.89 S9.1@9758.11,1331.89 ; v2(9758.11,1239.23) S9.1@9758.11,1331.89 ; v2(9758.11,1239.23) S9.1@9758.11,1331.89 ; U1_X2.1@9526.52,371.12 9527.85,261.09 U1_X2.1@9526.52,371.12